# Altium PCB MiniSystem-Pcb-All.PcbDoc (part 7 of 8)
Units mil, origin at the board's own origin, x right, y up, seen from the top; angles counter-clockwise.
Board outline 1732.28 x 669.29 mil, 2 copper layers (Top Layer, Bottom Layer); 690 components, 49 nets, 1630 pads, 330 vias.
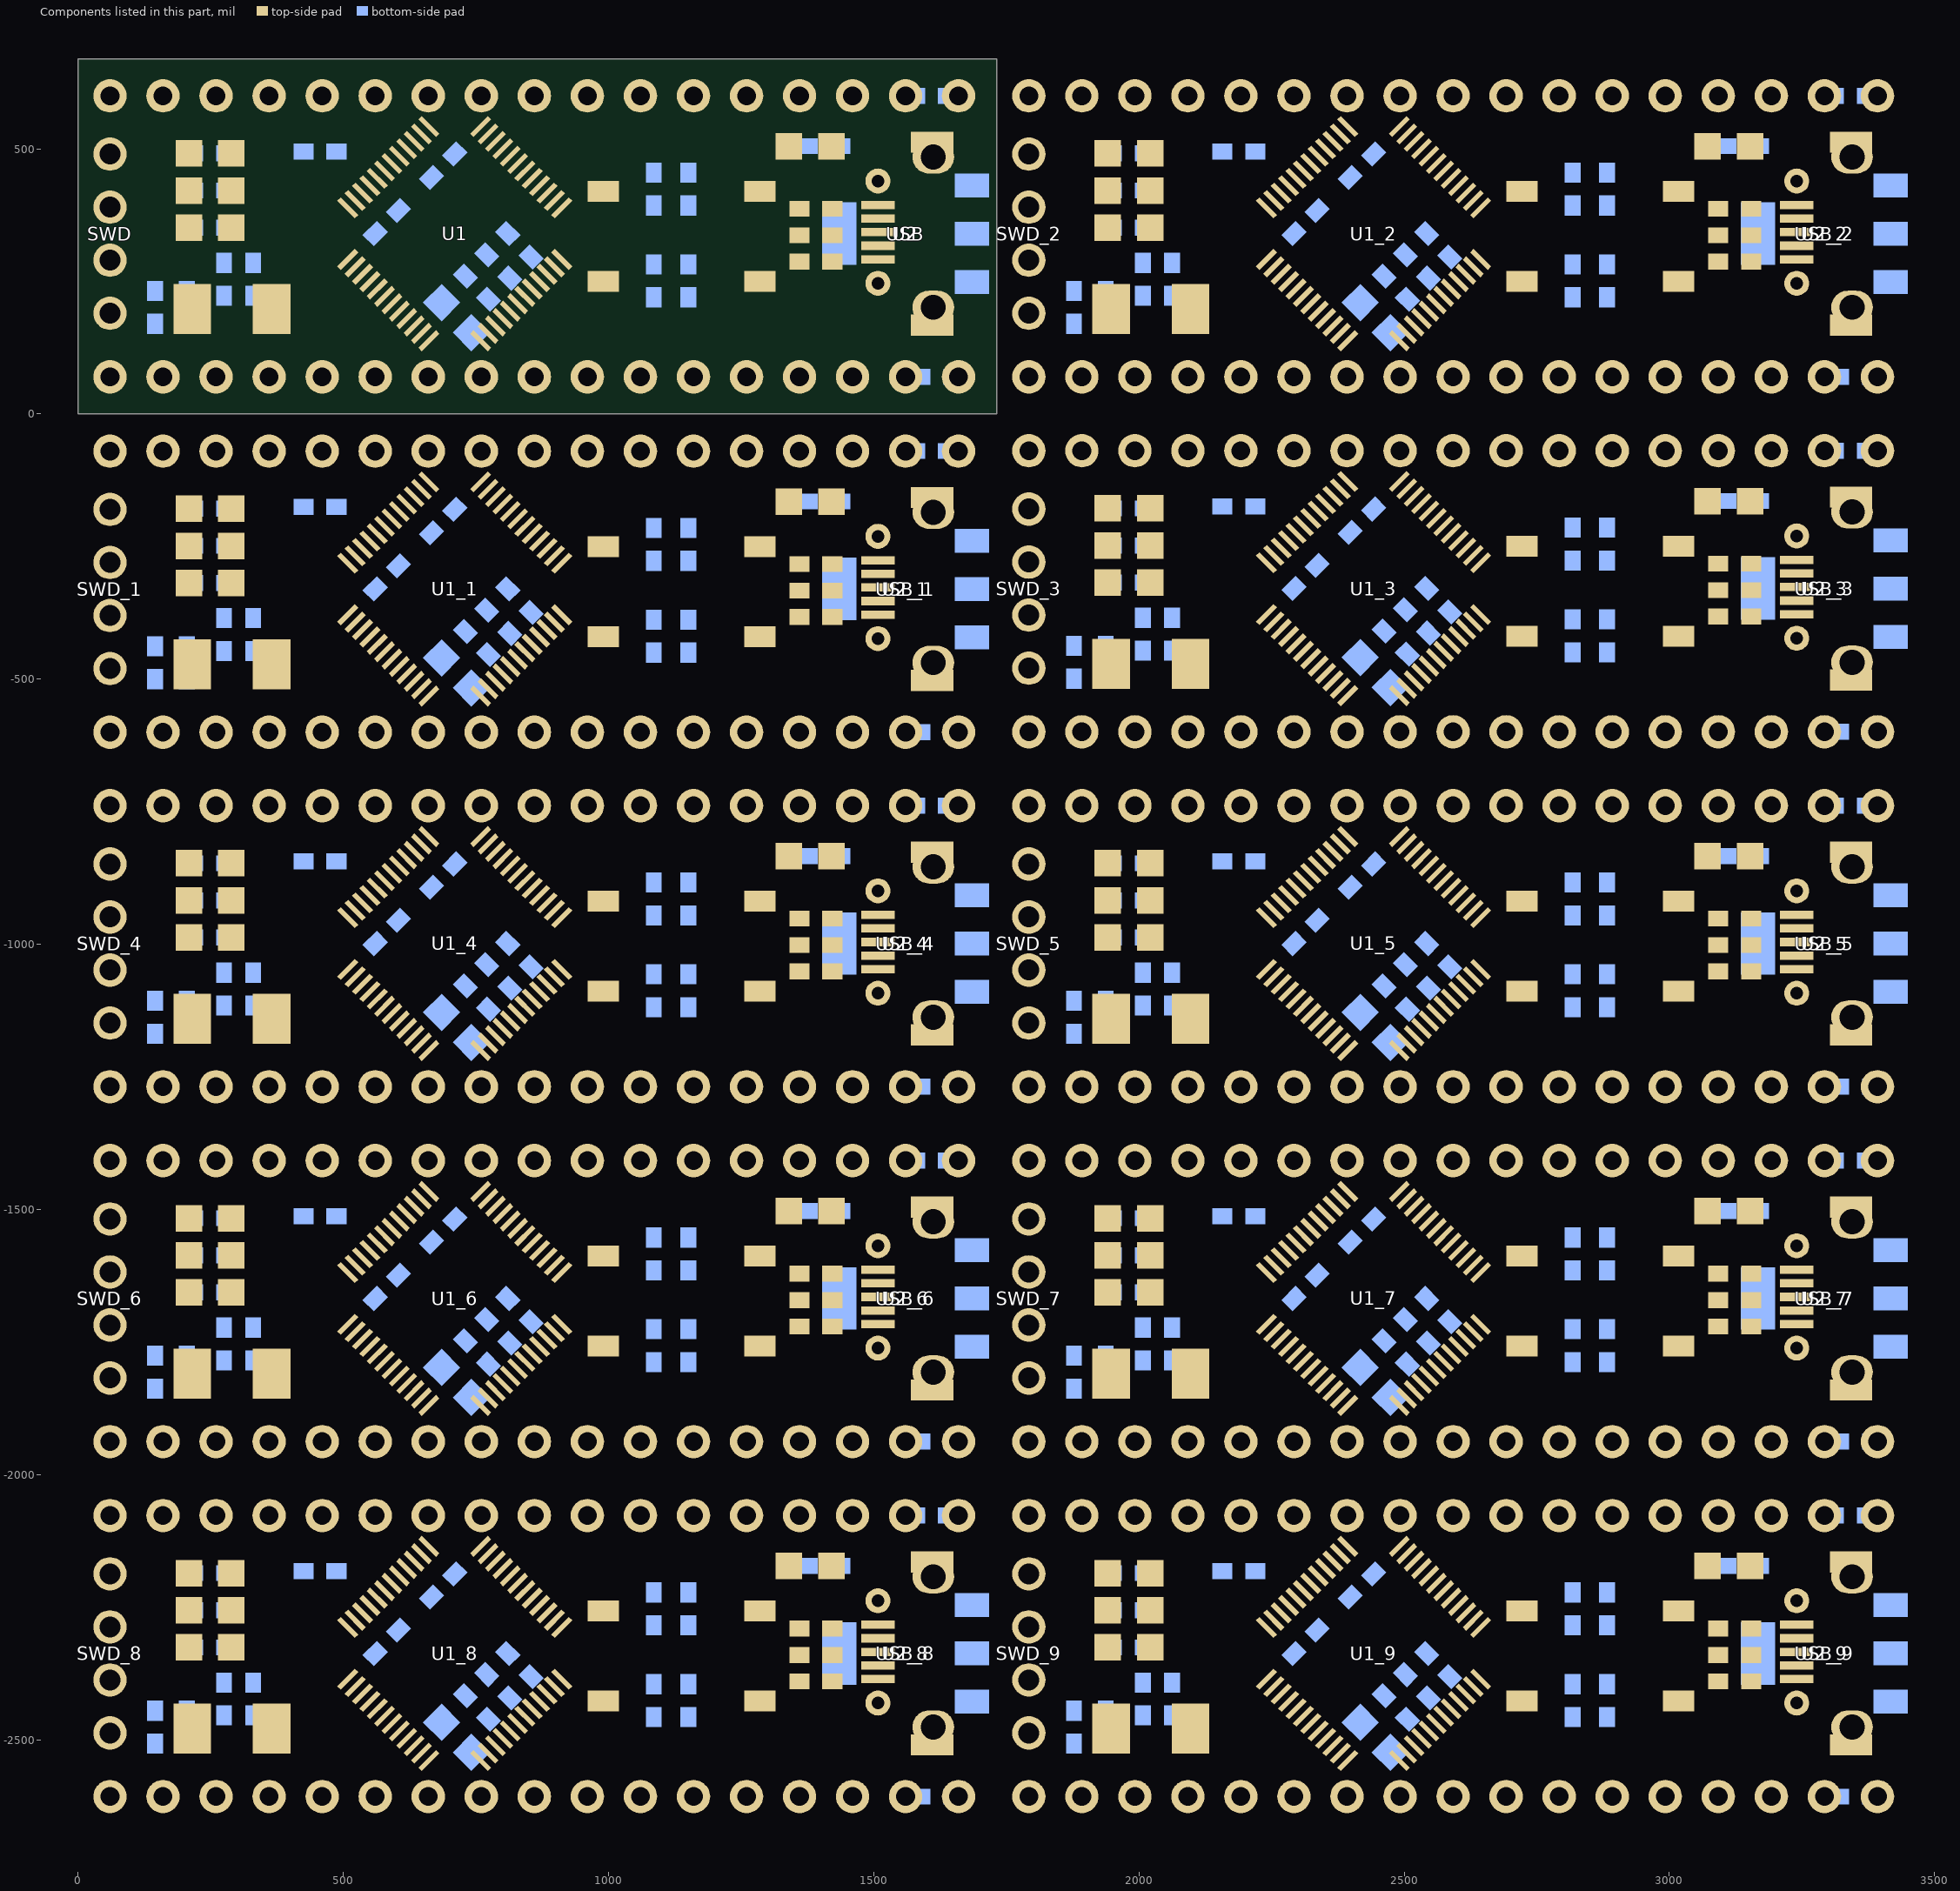
[diagram p7: the components of this part, seen from the top]

## Via types
v1: diameter 24, hole 12, Top Layer to Bottom Layer, 320 vias
v2: diameter 50, hole 30, Top Layer to Bottom Layer, 10 vias

## Nets (pads, with @x,y where several pads share a name; then routed paths per layer and width w, separated by ;. In a path a pad name is that pad's centre, name@x,y a point inside that pad or via, vN(x,y) a via of type N, cw(c..) or ccw(c..) an arc to the next point about the centre after c; other vN are vias at no path point) (continued)
copper on no net: (continued)
  Bottom Layer w10: 60,-2607.17 60,-2487.17 13,-2440.17 13,-2049.17 35,-2027.17 695,-2027.17 703.5,-2035.66 703.5,-2113.67 v1(700,-2117.17) ; 60,-1937.87 60,-1817.87 13,-1770.87 13,-1379.87 35,-1357.87 695,-1357.87 703.5,-1366.37 703.5,-1444.38 v1(700,-1447.87) ; 60,-1268.58 60,-1148.58 13,-1101.58 13,-710.58 35,-688.58 695,-688.58 703.5,-697.08 703.5,-775.09 v1(700,-778.58) ; 60,-600 60,-480 13,-433 13,-42 35,-20 695,-20 703.5,-28.5 703.5,-106.5 v1(700,-110) ; 137.93,-2518.24 cw(c120.86,-2535.31) 145,-2535.31 cw(c169.14,-2535.31) 152.07,-2518.24 ; 137.93,-2434.09 ccw(c120.86,-2417.02) 145,-2417.02 ccw(c169.14,-2417.02) 152.07,-2434.09 ; 137.93,-1848.95 cw(c120.86,-1866.02) 145,-1866.02 cw(c169.14,-1866.02) 152.07,-1848.95 ; 137.93,-1764.8 ccw(c120.86,-1747.73) 145,-1747.73 ccw(c169.14,-1747.73) 152.07,-1764.8 ; 137.93,-1179.65 cw(c120.86,-1196.72) 145,-1196.72 cw(c169.14,-1196.72) 152.07,-1179.65 ; 137.93,-1095.51 ccw(c120.86,-1078.44) 145,-1078.44 ccw(c169.14,-1078.44) 152.07,-1095.51 ; 137.93,-511.07 cw(c120.86,-528.14) 145,-528.14 cw(c169.14,-528.14) 152.07,-511.07 ; 137.93,-426.93 ccw(c120.86,-409.86) 145,-409.86 ccw(c169.14,-409.86) 152.07,-426.93 ; 145,-2445.17 145,-2367.17 ; 145,-1775.87 145,-1697.87 ; 145,-1106.58 145,-1028.58 ; 145,-438 145,-360 ; 152.07,-2514.24 cw(c169.14,-2531.31) 169.14,-2507.17 cw(c169.14,-2483.02) 152.07,-2500.09 ; 152.07,-1844.95 cw(c169.14,-1862.02) 169.14,-1837.87 cw(c169.14,-1813.73) 152.07,-1830.8 ; 152.07,-1175.65 cw(c169.14,-1192.72) 169.14,-1168.58 cw(c169.14,-1144.44) 152.07,-1161.51 ; 152.07,-507.07 cw(c169.14,-524.14) 169.14,-500 cw(c169.14,-475.86) 152.07,-492.93 ; 197.93,-2514.24 ccw(c180.86,-2531.31) 180.86,-2507.17 ccw(c180.86,-2483.02) 197.93,-2500.09 ; 197.93,-1844.95 ccw(c180.86,-1862.02) 180.86,-1837.87 ccw(c180.86,-1813.73) 197.93,-1830.8 ; 197.93,-1175.65 ccw(c180.86,-1192.72) 180.86,-1168.58 ccw(c180.86,-1144.44) 197.93,-1161.51 ; 197.93,-507.07 ccw(c180.86,-524.14) 180.86,-500 ccw(c180.86,-475.86) 197.93,-492.93 ; 205,-2507.17 145,-2507.17 145,-2552.17 150,-2557.17 250,-2557.17 260,-2567.17 ; 205,-2445.17 233,-2445.17 235,-2447.17 235,-2522.17 250,-2537.17 280,-2537.17 310,-2567.17 310,-2642.17 325,-2657.17 995,-2657.17 1010,-2642.17 1010,-2482.17 ; 205,-1837.87 145,-1837.87 145,-1882.87 150,-1887.87 250,-1887.87 260,-1897.87 260,-1937.87 ; 205,-1775.87 233,-1775.87 235,-1777.87 235,-1852.87 250,-1867.87 280,-1867.87 310,-1897.87 310,-1972.87 325,-1987.87 995,-1987.87 1010,-1972.87 1010,-1812.87 ; 205,-1168.58 145,-1168.58 145,-1213.58 150,-1218.58 250,-1218.58 260,-1228.58 ; 205,-1106.58 233,-1106.58 235,-1108.58 235,-1183.58 250,-1198.58 280,-1198.58 310,-1228.58 310,-1303.58 325,-1318.58 995,-1318.58 1010,-1303.58 1010,-1143.58 ; 205,-500 145,-500 145,-545 150,-550 250,-550 260,-560 ; 205,-438 233,-438 235,-440 235,-515 250,-530 280,-530 310,-560 310,-635 325,-650 995,-650 1010,-635 1010,-475 ; 212.07,-2452.24 cw(c229.14,-2469.31) 229.14,-2445.17 cw(c229.14,-2421.02) 212.07,-2438.09 ; 212.07,-1782.95 cw(c229.14,-1800.02) 229.14,-1775.87 cw(c229.14,-1751.73) 212.07,-1768.8 ; 212.07,-1113.65 cw(c229.14,-1130.72) 229.14,-1106.58 cw(c229.14,-1082.44) 212.07,-1099.51 ; 212.07,-445.07 cw(c229.14,-462.14) 229.14,-438 cw(c229.14,-413.86) 212.07,-430.93 ; 249.67,-2582.77 ccw(c243.06,-2567.17) 260,-2567.17 ; 249.67,-1913.48 ccw(c243.06,-1897.88) 260,-1897.88 ccw(c276.94,-1897.88) 270.33,-1913.48 ; 249.67,-1244.19 ccw(c243.06,-1228.58) 260,-1228.58 ; 249.67,-575.6 ccw(c243.06,-560) 260,-560 ; 260,-2607.17 260,-2567.17 ; 260,-1268.58 260,-1228.58 ; 260,-600 260,-560 ; 267.93,-2465.24 cw(c250.86,-2482.31) 275,-2482.31 cw(c299.14,-2482.31) 282.07,-2465.24 ; 267.93,-1795.95 cw(c250.86,-1813.02) 275,-1813.02 cw(c299.14,-1813.02) 282.07,-1795.95 ; 267.93,-1126.65 cw(c250.86,-1143.72) 275,-1143.72 cw(c299.14,-1143.72) 282.07,-1126.65 ; 267.93,-458.07 cw(c250.86,-475.14) 275,-475.14 cw(c299.14,-475.14) 282.07,-458.07 ; v1@270.05,-2497.22 ccw(c258.1,-2485.27) 275,-2485.27 ccw(c291.9,-2485.27) v1@279.95,-2497.22 ; v1@270.05,-1827.92 ccw(c258.1,-1815.97) 275,-1815.97 ccw(c291.9,-1815.97) v1@279.95,-1827.92 ; v1@270.05,-1158.63 ccw(c258.1,-1146.68) 275,-1146.68 ccw(c291.9,-1146.68) v1@279.95,-1158.63 ; v1@270.05,-490.05 ccw(c258.1,-478.1) 275,-478.1 ccw(c291.9,-478.1) v1@279.95,-490.05 ; 270.33,-2582.77 cw(c276.94,-2567.17) 260,-2567.17 ; 270.33,-1244.19 cw(c276.94,-1228.58) 260,-1228.58 ; 270.33,-575.6 cw(c276.94,-560) 260,-560 ; v1(275,-2502.17) 275,-2454.17 ; 275,-2392.17 330,-2392.17 ; v1(275,-1832.87) 275,-1784.87 ; 275,-1722.87 330,-1722.87 ; v1(275,-1163.58) 275,-1115.58 ; 275,-1053.58 330,-1053.58 ; v1(275,-495) 275,-447 ; 275,-385 330,-385 ; 282.07,-2399.24 cw(c299.14,-2416.31) 299.14,-2392.17 cw(c299.14,-2368.02) 282.07,-2385.09 ; 282.07,-1729.95 cw(c299.14,-1747.02) 299.14,-1722.87 cw(c299.14,-1698.73) 282.07,-1715.8 ; 282.07,-1060.65 cw(c299.14,-1077.72) 299.14,-1053.58 cw(c299.14,-1029.44) 282.07,-1046.51 ; 282.07,-392.07 cw(c299.14,-409.14) 299.14,-385 cw(c299.14,-360.86) 282.07,-377.93 ; 322.93,-2399.24 ccw(c305.86,-2416.31) 305.86,-2392.17 ccw(c305.86,-2368.02) 322.93,-2385.09 ; 322.93,-1729.95 ccw(c305.86,-1747.02) 305.86,-1722.87 ccw(c305.86,-1698.73) 322.93,-1715.8 ; 322.93,-1060.65 ccw(c305.86,-1077.72) 305.86,-1053.58 ccw(c305.86,-1029.44) 322.93,-1046.51 ; 322.93,-392.07 ccw(c305.86,-409.14) 305.86,-385 ccw(c305.86,-360.86) 322.93,-377.93 ; 360,-2607.17 384,-2583.17 384,-2361.17 375,-2352.17 320,-2352.17 320,-2227.17 335,-2212.17 480,-2212.17 485,-2207.17 v1(485,-2182.17) ; 360,-1937.87 384,-1913.87 384,-1691.87 375,-1682.87 320,-1682.87 320,-1557.87 335,-1542.87 480,-1542.87 485,-1537.87 v1(485,-1512.87) ; 360,-1268.58 384,-1244.58 384,-1022.58 375,-1013.58 320,-1013.58 320,-888.58 335,-873.58 480,-873.58 485,-868.58 v1(485,-843.58) ; 360,-600 384,-576 384,-354 375,-345 320,-345 320,-220 335,-205 480,-205 485,-200 v1(485,-175) ; 417.93,-2175.09 ccw(c400.86,-2158.02) 425,-2158.02 ccw(c449.14,-2158.02) 432.07,-2175.09 ; 417.93,-1505.8 ccw(c400.86,-1488.73) 425,-1488.73 ccw(c449.14,-1488.73) 432.07,-1505.8 ; 417.93,-836.51 ccw(c400.86,-819.44) 425,-819.44 ccw(c449.14,-819.44) 432.07,-836.51 ; 417.93,-167.93 ccw(c400.86,-150.86) 425,-150.86 ccw(c449.14,-150.86) 432.07,-167.93 ; 421.3,-2185.87 425,-2182.17 425,-2147.17 435,-2137.17 506.71,-2137.17 v1(633.35,-2263.81) ; 421.3,-1516.57 425,-1512.87 425,-1477.87 435,-1467.87 506.71,-1467.87 v1(633.35,-1594.52) ; 421.3,-847.28 425,-843.58 425,-808.58 435,-798.58 506.71,-798.58 v1(633.35,-925.23) ; 421.3,-178.7 425,-175 425,-140 435,-130 506.71,-130 v1(633.35,-256.64) ; v1@480.05,-2187.12 cw(c468.1,-2199.06) 485,-2199.06 cw(c501.9,-2199.06) v1@489.95,-2187.12 ; v1@480.05,-1517.82 cw(c468.1,-1529.77) 485,-1529.77 cw(c501.9,-1529.77) v1@489.95,-1517.82 ; v1@480.05,-848.53 cw(c468.1,-860.48) 485,-860.48 cw(c501.9,-860.48) v1@489.95,-848.53 ; v1@480.05,-179.95 cw(c468.1,-191.9) 485,-191.9 cw(c501.9,-191.9) v1@489.95,-179.95 ; v1@570.05,-2527.22 ccw(c558.1,-2515.27) 575,-2515.27 ccw(c591.9,-2515.27) 579.95,-2527.22 ccw(c591.9,-2515.27) 591.9,-2532.17 ccw(c591.9,-2549.06) v1@579.95,-2537.12 ; v1@570.05,-1857.92 ccw(c558.1,-1845.97) 575,-1845.97 ccw(c591.9,-1845.97) 579.95,-1857.92 ccw(c591.9,-1845.97) 591.9,-1862.87 ccw(c591.9,-1879.77) v1@579.95,-1867.82 ; v1@570.05,-1188.63 ccw(c558.1,-1176.68) 575,-1176.68 ccw(c591.9,-1176.68) 579.95,-1188.63 ccw(c591.9,-1176.68) 591.9,-1193.58 ccw(c591.9,-1210.48) v1@579.95,-1198.53 ; v1@570.05,-520.05 ccw(c558.1,-508.1) 575,-508.1 ccw(c591.9,-508.1) 579.95,-520.05 ccw(c591.9,-508.1) 591.9,-525 ccw(c591.9,-541.9) v1@579.95,-529.95 ; 603.84,-2293.32 v1(633.35,-2263.81) ; 603.84,-1624.03 v1(633.35,-1594.52) ; 603.84,-954.74 v1(633.35,-925.23) ; 603.84,-286.16 v1(633.35,-256.64) ; 653.33,-2233.83 cw(c629.19,-2233.83) 646.26,-2250.91 cw(c663.33,-2267.98) 663.33,-2243.83 ; 653.33,-1564.54 cw(c629.19,-1564.54) 646.26,-1581.61 cw(c663.33,-1598.69) 663.33,-1574.54 ; 653.33,-895.25 cw(c629.19,-895.25) 646.26,-912.32 cw(c663.33,-929.39) 663.33,-905.25 ; 653.33,-226.67 cw(c629.19,-226.67) 646.26,-243.74 cw(c663.33,-260.81) 663.33,-236.67 ; 666.16,-2231.01 v1(633.35,-2263.81) ; 666.16,-1561.71 v1(633.35,-1594.52) ; 666.16,-892.42 v1(633.35,-925.23) ; 666.16,-223.84 v1(633.35,-256.64) ; 672.93,-2532.17 ccw(c672.93,-2455.09) 727.43,-2509.59 ; 672.93,-1862.87 ccw(c672.93,-1785.8) 727.43,-1840.3 ; 672.93,-1193.58 ccw(c672.93,-1116.51) 727.43,-1171.01 ; 672.93,-525 ccw(c672.93,-447.93) 727.43,-502.43 ; v1(680,-2467.17) v1@682.5,-2464.67 ; v1(680,-1797.87) v1@682.5,-1795.37 ; v1(680,-1128.58) v1@682.5,-1126.08 ; v1(680,-460) v1@682.5,-457.5 ; 689.51,-2287.65 ccw(c669.03,-2267.17) v1@698,-2267.17 ; 689.51,-1618.36 ccw(c669.03,-1597.87) v1@698,-1597.87 ; 689.51,-949.07 ccw(c669.03,-928.58) v1@698,-928.58 ; 689.51,-280.49 ccw(c669.03,-260) v1@698,-260 ; v1@695.05,-2112.22 ccw(c674.66,-2091.83) 703.5,-2091.83 ; v1@695.05,-1442.92 ccw(c674.66,-1422.53) 703.5,-1422.53 ; v1@695.05,-773.63 ccw(c674.66,-753.24) 703.5,-753.24 ; v1@695.05,-105.05 ccw(c674.66,-84.66) 703.5,-84.66 ; 697.07,-2532.17 ccw(c697.07,-2479.24) 734.5,-2516.66 ; 697.07,-1862.87 ccw(c697.07,-1809.94) 734.5,-1847.37 ; 697.07,-1193.58 ccw(c697.07,-1140.65) 734.5,-1178.08 ; 697.07,-525 ccw(c697.07,-472.07) 734.5,-509.5 ; v1@705,-2272.17 673.35,-2303.81 ; v1(705,-2267.17) 750,-2222.17 750,-2172.17 810,-2112.17 810,-2032.17 815,-2027.17 1205,-2027.17 ; v1@705,-2260.17 ccw(c705,-2243.27) 716.95,-2255.22 ccw(c728.9,-2267.17) v1@712,-2267.17 ; v1@705,-1602.87 673.35,-1634.52 ; v1(705,-1597.87) 750,-1552.87 750,-1502.87 810,-1442.87 810,-1362.87 815,-1357.87 1205,-1357.87 ; v1@705,-1590.87 ccw(c705,-1573.97) 716.95,-1585.92 ccw(c728.9,-1597.87) v1@712,-1597.87 ; v1@705,-933.58 673.35,-965.23 ; v1(705,-928.58) 750,-883.58 750,-833.58 810,-773.58 810,-693.58 815,-688.58 1205,-688.58 ; v1@705,-921.58 ccw(c705,-904.68) 716.95,-916.63 ccw(c728.9,-928.58) v1@712,-928.58 ; v1@705,-265 673.35,-296.64 ; v1(705,-260) 750,-215 750,-165 810,-105 810,-25 815,-20 1205,-20 ; v1@705,-253 ccw(c705,-236.1) 716.95,-248.05 ccw(c728.9,-260) v1@712,-260 ; 713.64,-2532.17 cw(c713.64,-2551.66) 727.43,-2537.88 ; 713.64,-1862.87 cw(c713.64,-1882.37) 727.43,-1868.58 ; 713.64,-1193.58 cw(c713.64,-1213.08) 727.43,-1199.29 ; 713.64,-525 cw(c713.64,-544.5) 727.43,-530.71 ; 730,-2417.17 770,-2377.17 ; 730,-2407.17 ccw(c730,-2383.02) 747.07,-2400.09 ccw(c764.14,-2417.17) 740,-2417.17 ; 730,-1747.87 770,-1707.87 ; 730,-1737.87 ccw(c730,-1713.73) 747.07,-1730.8 ccw(c764.14,-1747.87) 740,-1747.87 ; 730,-1078.58 770,-1038.58 ; 730,-1068.58 ccw(c730,-1044.44) 747.07,-1061.51 ccw(c764.14,-1078.58) 740,-1078.58 ; 730,-410 770,-370 ; 730,-400 ccw(c730,-375.86) 747.07,-392.93 ccw(c764.14,-410) 740,-410 ; 741.57,-2523.73 733.14,-2532.17 v1(575,-2532.17) 575,-2512.17 710,-2377.17 710,-2340.46 673.35,-2303.81 ; 741.57,-1854.44 733.14,-1862.87 v1(575,-1862.87) 575,-1842.87 710,-1707.87 710,-1671.16 673.35,-1634.52 ; 741.57,-1185.15 733.14,-1193.58 v1(575,-1193.58) 575,-1173.58 710,-1038.58 710,-1001.87 673.35,-965.23 ; 741.57,-516.57 733.14,-525 v1(575,-525) 575,-505 710,-370 710,-333.29 673.35,-296.64 ; 760,-2377.17 cw(c735.86,-2377.17) 752.93,-2394.24 cw(c770,-2411.31) 770,-2387.17 ; 760,-1707.87 cw(c735.86,-1707.87) 752.93,-1724.95 cw(c770,-1742.02) 770,-1717.87 ; 760,-1038.58 cw(c735.86,-1038.58) 752.93,-1055.65 cw(c770,-1072.72) 770,-1048.58 ; 760,-370 cw(c735.86,-370) 752.93,-387.07 cw(c770,-404.14) 770,-380 ; v1@800,-2289.17 cw(c800,-2306.06) 811.95,-2294.12 cw(c823.9,-2282.17) v1@807,-2282.17 ; v1(800,-2282.17) 900,-2382.17 995,-2382.17 1005,-2372.17 v1(1005,-2257.17) 1005,-2222.17 1085.28,-2222.17 1150.28,-2222.17 ; v1@800,-1619.87 cw(c800,-1636.77) 811.95,-1624.82 cw(c823.9,-1612.87) v1@807,-1612.87 ; v1(800,-1612.87) 900,-1712.87 995,-1712.87 1005,-1702.87 v1(1005,-1587.87) 1005,-1552.87 1085.28,-1552.87 1150.28,-1552.87 ; v1@800,-950.58 cw(c800,-967.48) 811.95,-955.53 cw(c823.9,-943.58) v1@807,-943.58 ; v1(800,-943.58) 900,-1043.58 995,-1043.58 1005,-1033.58 v1(1005,-918.58) 1005,-883.58 1085.28,-883.58 1150.28,-883.58 ; v1@800,-282 cw(c800,-298.9) 811.95,-286.95 cw(c823.9,-275) v1@807,-275 ; v1(800,-275) 900,-375 995,-375 1005,-365 v1(1005,-250) 1005,-215 1085.28,-215 1150.28,-215 ; v1@855,-2384.17 cw(c855,-2401.06) 866.95,-2389.12 cw(c878.9,-2377.17) v1@862,-2377.17 ; v1@855,-1714.87 cw(c855,-1731.77) 866.95,-1719.82 cw(c878.9,-1707.87) v1@862,-1707.87 ; v1@855,-1045.58 cw(c855,-1062.48) 866.95,-1050.53 cw(c878.9,-1038.58) v1@862,-1038.58 ; v1@855,-377 cw(c855,-393.9) 866.95,-381.95 cw(c878.9,-370) v1@862,-370 ; v1@856.34,-2378.51 885,-2407.17 1017,-2407.17 1027,-2397.17 1027,-2295.17 v1(1040,-2282.17) ; v1@856.34,-1709.21 885,-1737.87 1017,-1737.87 1027,-1727.87 1027,-1625.87 v1(1040,-1612.87) ; v1@856.34,-1039.92 885,-1068.58 1017,-1068.58 1027,-1058.58 1027,-956.58 v1(1040,-943.58) ; v1@856.34,-371.34 885,-400 1017,-400 1027,-390 1027,-288 v1(1040,-275) ; 856.67,-2393.83 cw(c856.67,-2430.05) 882.28,-2404.44 ; 856.67,-1724.54 cw(c856.67,-1760.76) 882.28,-1735.15 ; 856.67,-1055.25 cw(c856.67,-1091.46) 882.28,-1065.86 ; 856.67,-386.67 cw(c856.67,-422.88) 882.28,-397.28 ; 866.67,-2383.83 ccw(c878.74,-2383.83) 870.2,-2392.37 ; 866.67,-1714.54 ccw(c878.74,-1714.54) 870.2,-1723.08 ; 866.67,-1045.25 ccw(c878.74,-1045.25) 870.2,-1053.79 ; 866.67,-376.67 ccw(c878.74,-376.67) 870.2,-385.2 ; v1@1000.05,-2262.12 cw(c988.1,-2274.06) 1005,-2274.06 cw(c1021.9,-2274.06) v1@1009.95,-2262.12 ; v1@1000.05,-2252.22 ccw(c988.1,-2240.27) 1005,-2240.27 ccw(c1021.9,-2240.27) v1@1009.95,-2252.22 ; v1@1000.05,-1592.82 cw(c988.1,-1604.77) 1005,-1604.77 cw(c1021.9,-1604.77) v1@1009.95,-1592.82 ; v1@1000.05,-1582.92 ccw(c988.1,-1570.97) 1005,-1570.97 ccw(c1021.9,-1570.97) v1@1009.95,-1582.92 ; v1@1000.05,-923.53 cw(c988.1,-935.48) 1005,-935.48 cw(c1021.9,-935.48) v1@1009.95,-923.53 ; v1@1000.05,-913.63 ccw(c988.1,-901.68) 1005,-901.68 ccw(c1021.9,-901.68) v1@1009.95,-913.63 ; v1@1000.05,-254.95 cw(c988.1,-266.9) 1005,-266.9 cw(c1021.9,-266.9) v1@1009.95,-254.95 ; v1@1000.05,-245.05 ccw(c988.1,-233.1) 1005,-233.1 ccw(c1021.9,-233.1) v1@1009.95,-245.05 ; 1078.2,-2229.24 ccw(c1061.13,-2246.31) 1061.13,-2222.17 ccw(c1061.13,-2198.02) 1078.2,-2215.09 ; 1078.2,-1559.95 ccw(c1061.13,-1577.02) 1061.13,-1552.87 ccw(c1061.13,-1528.73) 1078.2,-1545.8 ; 1078.2,-890.65 ccw(c1061.13,-907.72) 1061.13,-883.58 ccw(c1061.13,-859.44) 1078.2,-876.51 ; 1078.2,-222.07 ccw(c1061.13,-239.14) 1061.13,-215 ccw(c1061.13,-190.86) 1078.2,-207.93 ; v1@1085.28,-2457.17 1150.28,-2457.17 ; v1@1085.28,-1787.87 1150.28,-1787.87 ; v1@1085.28,-1118.58 1150.28,-1118.58 ; v1@1085.28,-450 1150.28,-450 ; v1@1089.95,-2462.12 cw(c1101.9,-2474.06) 1101.9,-2457.17 cw(c1101.9,-2440.27) v1@1089.95,-2452.22 ; v1@1089.95,-1792.82 cw(c1101.9,-1804.77) 1101.9,-1787.87 cw(c1101.9,-1770.97) v1@1089.95,-1782.92 ; v1@1089.95,-1123.53 cw(c1101.9,-1135.48) 1101.9,-1118.58 cw(c1101.9,-1101.68) v1@1089.95,-1113.63 ; v1@1089.95,-454.95 cw(c1101.9,-466.9) 1101.9,-450 cw(c1101.9,-433.1) v1@1089.95,-445.05 ; v1@1092.35,-2464.24 cw(c1109.42,-2481.31) 1109.42,-2457.17 cw(c1109.42,-2433.02) v1@1092.35,-2450.09 ; 1092.35,-2229.24 cw(c1109.42,-2246.31) 1109.42,-2222.17 cw(c1109.42,-2198.02) 1092.35,-2215.09 ; v1@1092.35,-1794.95 cw(c1109.42,-1812.02) 1109.42,-1787.87 cw(c1109.42,-1763.73) v1@1092.35,-1780.8 ; 1092.35,-1559.95 cw(c1109.42,-1577.02) 1109.42,-1552.87 cw(c1109.42,-1528.73) 1092.35,-1545.8 ; v1@1092.35,-1125.65 cw(c1109.42,-1142.72) 1109.42,-1118.58 cw(c1109.42,-1094.44) v1@1092.35,-1111.51 ; 1092.35,-890.65 cw(c1109.42,-907.72) 1109.42,-883.58 cw(c1109.42,-859.44) 1092.35,-876.51 ; v1@1092.35,-457.07 cw(c1109.42,-474.14) 1109.42,-450 cw(c1109.42,-425.86) v1@1092.35,-442.93 ; 1092.35,-222.07 cw(c1109.42,-239.14) 1109.42,-215 cw(c1109.42,-190.86) 1092.35,-207.93 ; 1143.2,-2464.24 ccw(c1126.13,-2481.31) 1126.13,-2457.17 ccw(c1126.13,-2433.02) 1143.2,-2450.09 ; 1143.2,-2229.24 ccw(c1126.13,-2246.31) 1126.13,-2222.17 ccw(c1126.13,-2198.02) 1143.2,-2215.09 ; 1143.2,-1794.95 ccw(c1126.13,-1812.02) 1126.13,-1787.87 ccw(c1126.13,-1763.73) 1143.2,-1780.8 ; 1143.2,-1559.95 ccw(c1126.13,-1577.02) 1126.13,-1552.87 ccw(c1126.13,-1528.73) 1143.2,-1545.8 ; 1143.2,-1125.65 ccw(c1126.13,-1142.72) 1126.13,-1118.58 ccw(c1126.13,-1094.44) 1143.2,-1111.51 ; 1143.2,-890.65 ccw(c1126.13,-907.72) 1126.13,-883.58 ccw(c1126.13,-859.44) 1143.2,-876.51 ; 1143.2,-457.07 ccw(c1126.13,-474.14) 1126.13,-450 ccw(c1126.13,-425.86) 1143.2,-442.93 ; 1143.2,-222.07 ccw(c1126.13,-239.14) 1126.13,-215 ccw(c1126.13,-190.86) 1143.2,-207.93 ; 1150.28,-2395.17 v1(1202,-2395.17) ; 1150.28,-2284.17 v1(1198,-2284.17) ; 1150.28,-1725.87 v1(1202,-1725.87) ; 1150.28,-1614.87 v1(1198,-1614.87) ; 1150.28,-1056.58 v1(1202,-1056.58) ; 1150.28,-945.58 v1(1198,-945.58) ; 1150.28,-388 v1(1202,-388) ; 1150.28,-277 v1(1198,-277) ; 1157.35,-2402.24 cw(c1174.42,-2419.31) 1174.42,-2395.17 cw(c1174.42,-2371.02) 1157.35,-2388.09 ; 1157.35,-2291.24 cw(c1174.42,-2308.31) 1174.42,-2284.17 cw(c1174.42,-2260.02) 1157.35,-2277.09 ; 1157.35,-1732.95 cw(c1174.42,-1750.02) 1174.42,-1725.87 cw(c1174.42,-1701.73) 1157.35,-1718.8 ; 1157.35,-1621.95 cw(c1174.42,-1639.02) 1174.42,-1614.87 cw(c1174.42,-1590.73) 1157.35,-1607.8 ; 1157.35,-1063.65 cw(c1174.42,-1080.72) 1174.42,-1056.58 cw(c1174.42,-1032.44) 1157.35,-1049.51 ; 1157.35,-952.65 cw(c1174.42,-969.72) 1174.42,-945.58 cw(c1174.42,-921.44) 1157.35,-938.51 ; 1157.35,-395.07 cw(c1174.42,-412.14) 1174.42,-388 cw(c1174.42,-363.86) 1157.35,-380.93 ; 1157.35,-284.07 cw(c1174.42,-301.14) 1174.42,-277 cw(c1174.42,-252.86) 1157.35,-269.93 ; v1@1193.05,-2289.12 ccw(c1181.1,-2301.06) 1181.1,-2284.17 ccw(c1181.1,-2267.27) 1193.05,-2279.22 ccw(c1167.83,-2254) 1203.5,-2254 ; v1@1193.05,-1619.82 ccw(c1181.1,-1631.77) 1181.1,-1614.87 ccw(c1181.1,-1597.97) 1193.05,-1609.92 ccw(c1167.83,-1584.71) 1203.5,-1584.71 ; v1@1193.05,-950.53 ccw(c1181.1,-962.48) 1181.1,-945.58 ccw(c1181.1,-928.68) 1193.05,-940.63 ccw(c1167.83,-915.41) 1203.5,-915.41 ; v1@1193.05,-281.95 ccw(c1181.1,-293.9) 1181.1,-277 ccw(c1181.1,-260.1) 1193.05,-272.05 ccw(c1167.83,-246.83) 1203.5,-246.83 ; v1@1197.05,-2400.12 ccw(c1185.1,-2412.06) 1185.1,-2395.17 ccw(c1185.1,-2378.27) v1@1197.05,-2390.22 ; v1@1197.05,-1730.82 ccw(c1185.1,-1742.77) 1185.1,-1725.87 ccw(c1185.1,-1708.97) v1@1197.05,-1720.92 ; v1@1197.05,-1061.53 ccw(c1185.1,-1073.48) 1185.1,-1056.58 ccw(c1185.1,-1039.68) v1@1197.05,-1051.63 ; v1@1197.05,-392.95 ccw(c1185.1,-404.9) 1185.1,-388 ccw(c1185.1,-371.1) v1@1197.05,-383.05 ; v1@1203.5,-2278.67 1203.5,-2028.67 1205,-2027.17 ; v1@1203.5,-1609.38 1203.5,-1359.38 1205,-1357.87 ; v1@1203.5,-940.09 1203.5,-690.09 1205,-688.58 ; v1@1203.5,-271.5 1203.5,-21.5 1205,-20 ; 1549.67,-2052.77 ccw(c1543.06,-2037.17) 1560,-2037.17 ; 1549.67,-1383.48 ccw(c1543.06,-1367.88) 1560,-1367.88 ; 1549.67,-714.19 ccw(c1543.06,-698.58) 1560,-698.58 ; 1549.67,-45.6 ccw(c1543.06,-30) 1560,-30 ; 1560,-2077.17 1560,-2037.17 ; 1560,-2070.5 ccw(c1577.56,-2070.5) 1569.29,-2085.99 ; 1560,-2053.83 ccw(c1586.44,-2053.83) 1574,-2077.17 ; 1560,-1407.87 1560,-1367.87 1550,-1357.87 1205,-1357.87 ; 1560,-1401.21 ccw(c1577.56,-1401.21) 1569.29,-1416.7 ; 1560,-1384.54 ccw(c1586.44,-1384.54) 1574,-1407.87 ; 1560,-738.58 1560,-698.58 ; 1560,-731.92 ccw(c1577.56,-731.92) 1569.29,-747.41 ; 1560,-715.25 ccw(c1586.44,-715.25) 1574,-738.58 ; 1560,-70 1560,-30 ; 1560,-63.33 ccw(c1577.56,-63.33) 1569.29,-78.82 ; 1560,-46.67 ccw(c1586.44,-46.67) 1574,-70 ; 1570.33,-2052.77 cw(c1576.94,-2037.17) 1560,-2037.17 ; 1570.33,-1383.48 cw(c1576.94,-1367.88) 1560,-1367.88 ; 1570.33,-714.19 cw(c1576.94,-698.58) 1560,-698.58 ; 1570.33,-45.6 cw(c1576.94,-30) 1560,-30 ; 1578.71,-2068.34 cw(c1595.33,-2037.17) 1560,-2037.17 ; 1578.71,-1399.05 cw(c1595.33,-1367.88) 1560,-1367.88 ; 1578.71,-729.76 cw(c1595.33,-698.58) 1560,-698.58 ; 1578.71,-61.18 cw(c1595.33,-30) 1560,-30 ; 1792.28,-2607.17 1792.28,-2487.17 1745.28,-2440.17 1745.28,-2049.17 1767.28,-2027.17 2427.28,-2027.17 2435.78,-2035.66 